# Altium PCB rev3.PcbDoc (part 3 of 7)
Units mil, origin at the board's own origin, x right, y up, seen from the top; angles counter-clockwise.
Board outline 1000 x 800 mil, 2 copper layers (Top Layer, Bottom Layer); 273 components, 16 nets, 2912 pads, 0 vias.
Unrouted connection lines stored in the file: 16.
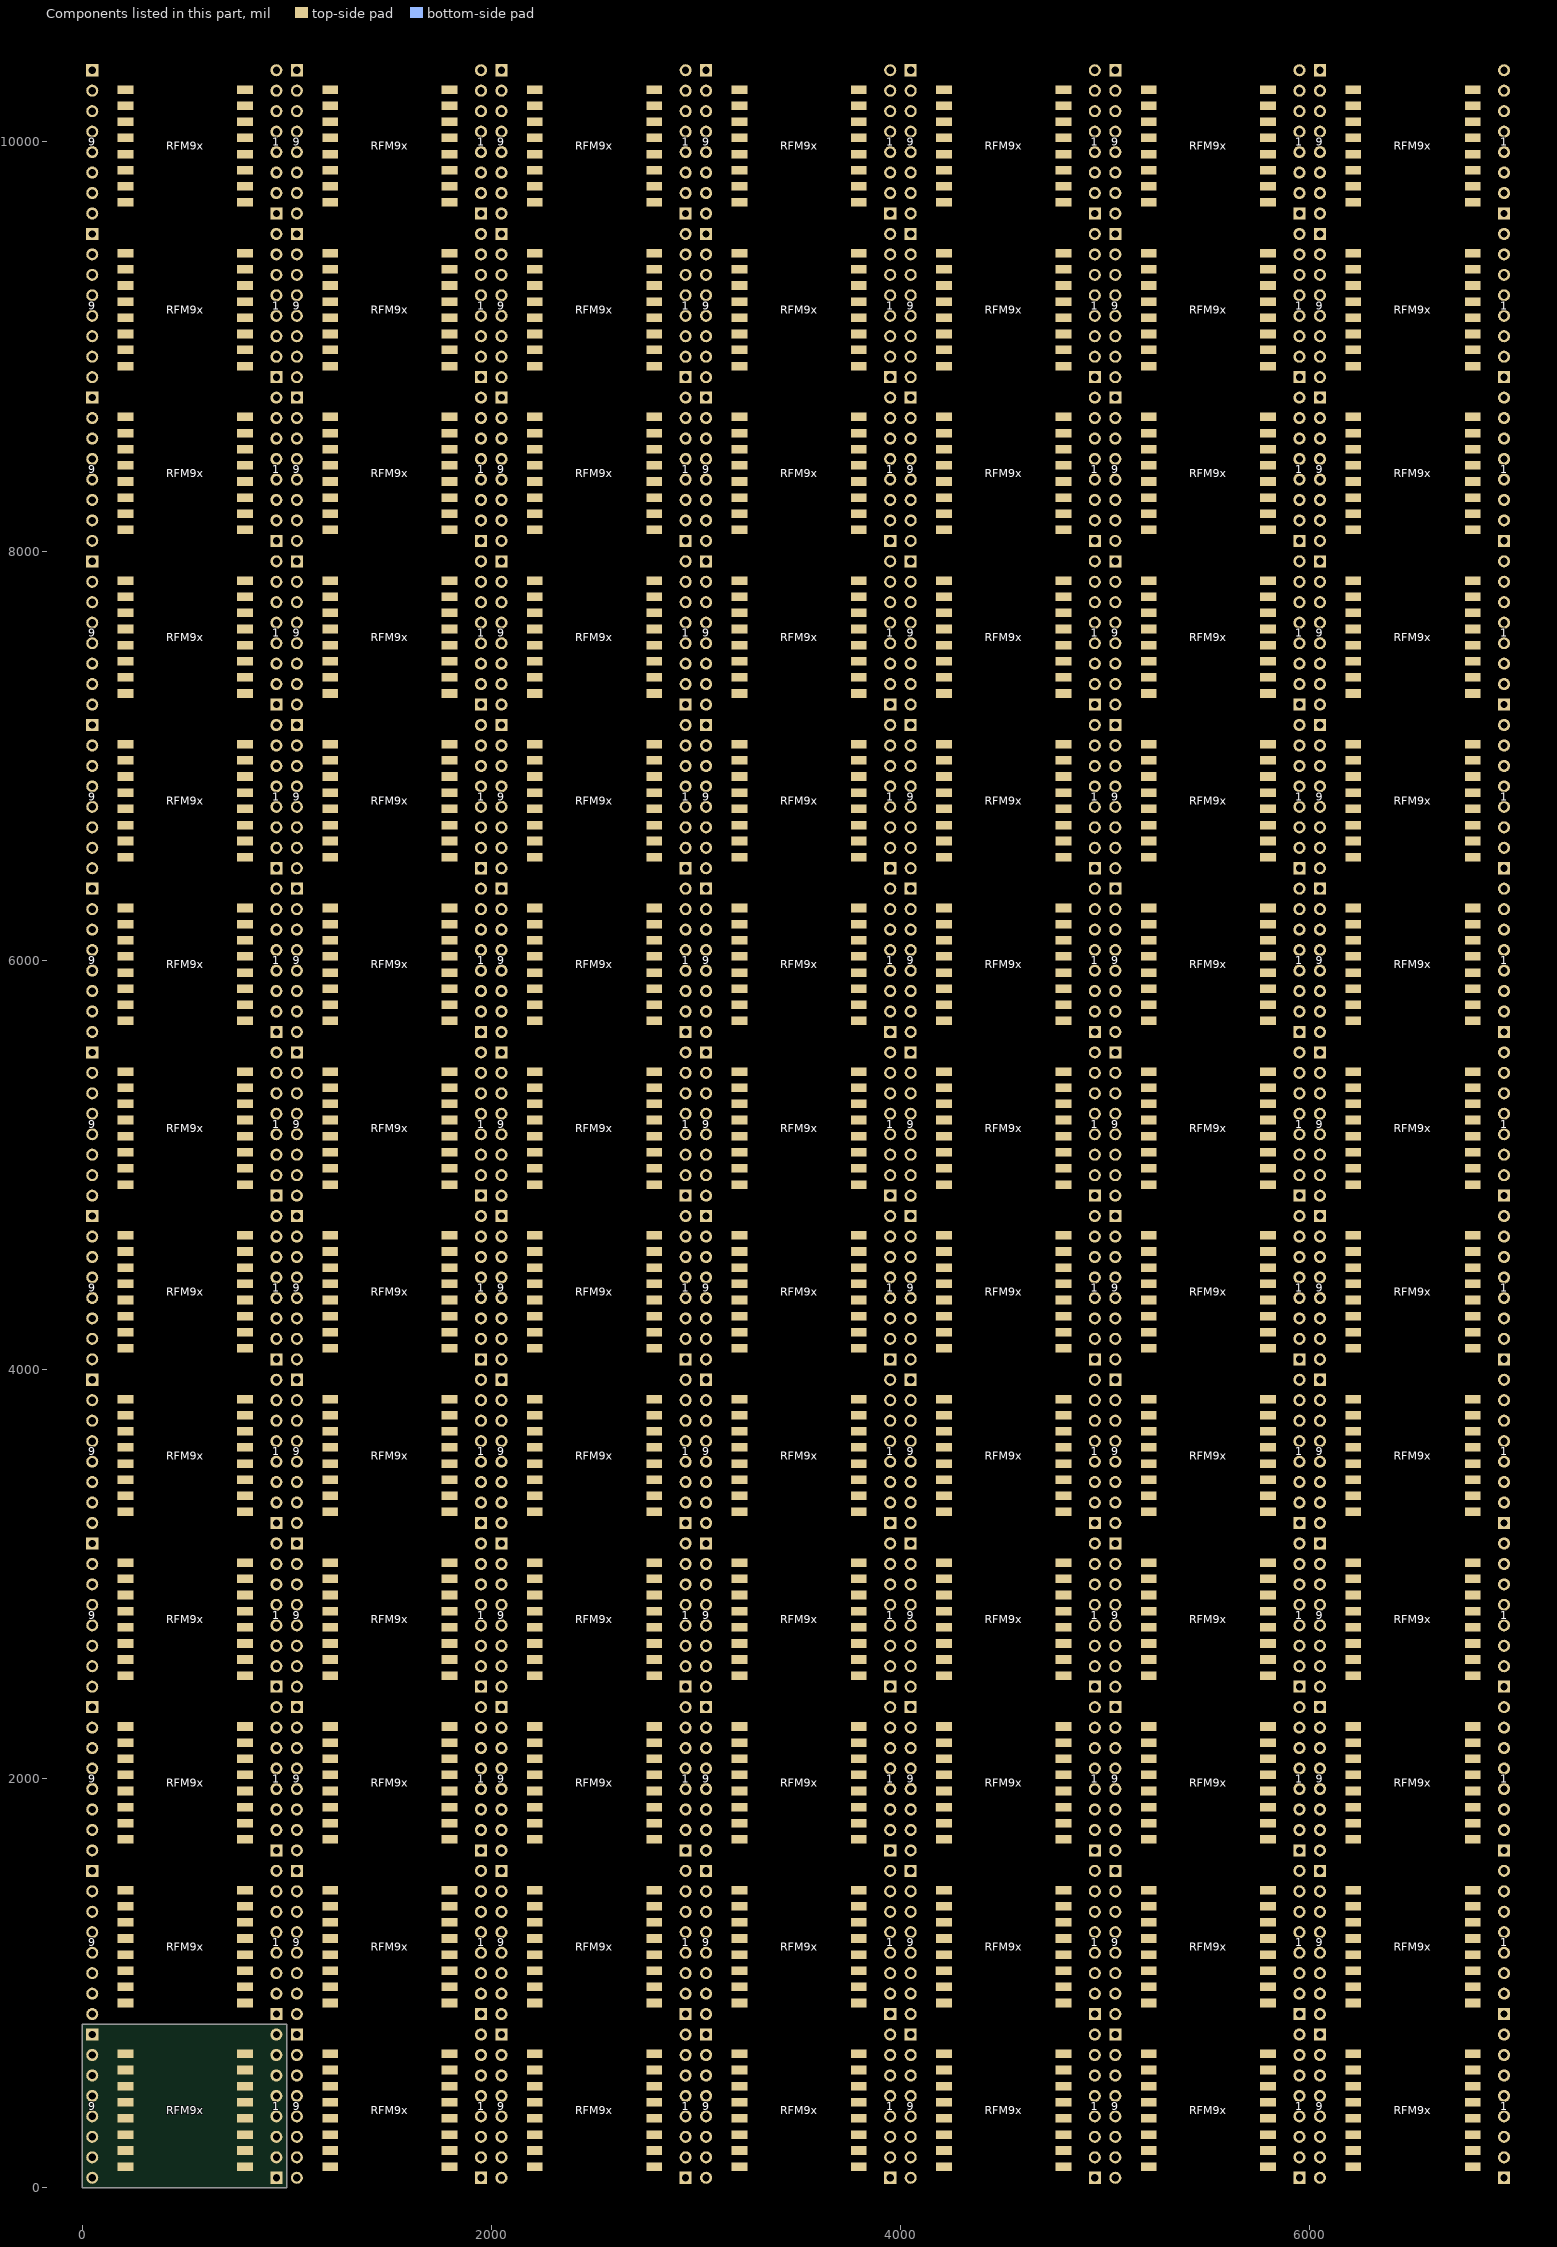
[diagram p3: the components of this part, seen from the top]

## Nets (pads, with @x,y where several pads share a name; then routed paths per layer and width w, separated by ;. In a path a pad name is that pad's centre, name@x,y a point inside that pad or via, vN(x,y) a via of type N, cw(c..) or ccw(c..) an arc to the next point about the centre after c; other vN are vias at no path point) (continued)
pads on no net: RFM9x.15@4213,183 RFM9x.15@4213,983 RFM9x.15@4213,1783 RFM9x.15@4213,2583 RFM9x.15@4213,3383 RFM9x.15@4213,4183 RFM9x.15@4213,4983 RFM9x.15@4213,5783 RFM9x.15@4213,6583 RFM9x.15@4213,7383 RFM9x.15@4213,8183 RFM9x.15@4213,8983 RFM9x.15@4213,9783 RFM9x.15@5213,183 RFM9x.15@5213,983 RFM9x.15@5213,1783 RFM9x.15@5213,2583 RFM9x.15@5213,3383 RFM9x.15@5213,4183 RFM9x.15@5213,4983 RFM9x.15@5213,5783 RFM9x.15@5213,6583 RFM9x.15@5213,7383 RFM9x.15@5213,8183 RFM9x.15@5213,8983 RFM9x.15@5213,9783 RFM9x.15@6213,183 RFM9x.15@6213,983 RFM9x.15@6213,1783 RFM9x.15@6213,2583 RFM9x.15@6213,3383 RFM9x.15@6213,4183 RFM9x.15@6213,4983 RFM9x.15@6213,5783 RFM9x.15@6213,6583 RFM9x.15@6213,7383 RFM9x.15@6213,8183 RFM9x.15@6213,8983 RFM9x.15@6213,9783 RFM9x.16@213,904 RFM9x.16@213,1704 RFM9x.16@213,2504 RFM9x.16@213,3304 RFM9x.16@213,4104 RFM9x.16@213,4904 RFM9x.16@213,5704 RFM9x.16@213,6504 RFM9x.16@213,7304 RFM9x.16@213,8104 RFM9x.16@213,8904 RFM9x.16@213,9704 RFM9x.16@1213,104 RFM9x.16@1213,904 RFM9x.16@1213,1704 RFM9x.16@1213,2504 RFM9x.16@1213,3304 RFM9x.16@1213,4104 RFM9x.16@1213,4904 RFM9x.16@1213,5704 RFM9x.16@1213,6504 RFM9x.16@1213,7304 RFM9x.16@1213,8104 RFM9x.16@1213,8904 RFM9x.16@1213,9704 RFM9x.16@2213,104 RFM9x.16@2213,904 RFM9x.16@2213,1704 RFM9x.16@2213,2504 RFM9x.16@2213,3304 RFM9x.16@2213,4104 RFM9x.16@2213,4904 RFM9x.16@2213,5704 RFM9x.16@2213,6504 RFM9x.16@2213,7304 RFM9x.16@2213,8104 RFM9x.16@2213,8904 RFM9x.16@2213,9704 RFM9x.16@3213,104 RFM9x.16@3213,904 RFM9x.16@3213,1704 RFM9x.16@3213,2504 RFM9x.16@3213,3304 RFM9x.16@3213,4104 RFM9x.16@3213,4904 RFM9x.16@3213,5704 RFM9x.16@3213,6504 RFM9x.16@3213,7304 RFM9x.16@3213,8104 RFM9x.16@3213,8904 RFM9x.16@3213,9704 RFM9x.16@4213,104 RFM9x.16@4213,904 RFM9x.16@4213,1704 RFM9x.16@4213,2504 RFM9x.16@4213,3304 RFM9x.16@4213,4104 RFM9x.16@4213,4904 RFM9x.16@4213,5704 RFM9x.16@4213,6504 RFM9x.16@4213,7304 RFM9x.16@4213,8104 RFM9x.16@4213,8904 RFM9x.16@4213,9704 RFM9x.16@5213,104 RFM9x.16@5213,904 RFM9x.16@5213,1704 RFM9x.16@5213,2504 RFM9x.16@5213,3304 RFM9x.16@5213,4104 RFM9x.16@5213,4904 RFM9x.16@5213,5704 RFM9x.16@5213,6504 RFM9x.16@5213,7304 RFM9x.16@5213,8104 RFM9x.16@5213,8904 RFM9x.16@5213,9704 RFM9x.16@6213,104 RFM9x.16@6213,904 RFM9x.16@6213,1704 RFM9x.16@6213,2504 RFM9x.16@6213,3304 RFM9x.16@6213,4104 RFM9x.16@6213,4904 RFM9x.16@6213,5704 RFM9x.16@6213,6504 RFM9x.16@6213,7304 RFM9x.16@6213,8104 RFM9x.16@6213,8904 RFM9x.16@6213,9704
copper on no net: | length 255591.5